# Altium PCB PCB3.PcbDoc (part 2 of 5) (continued)
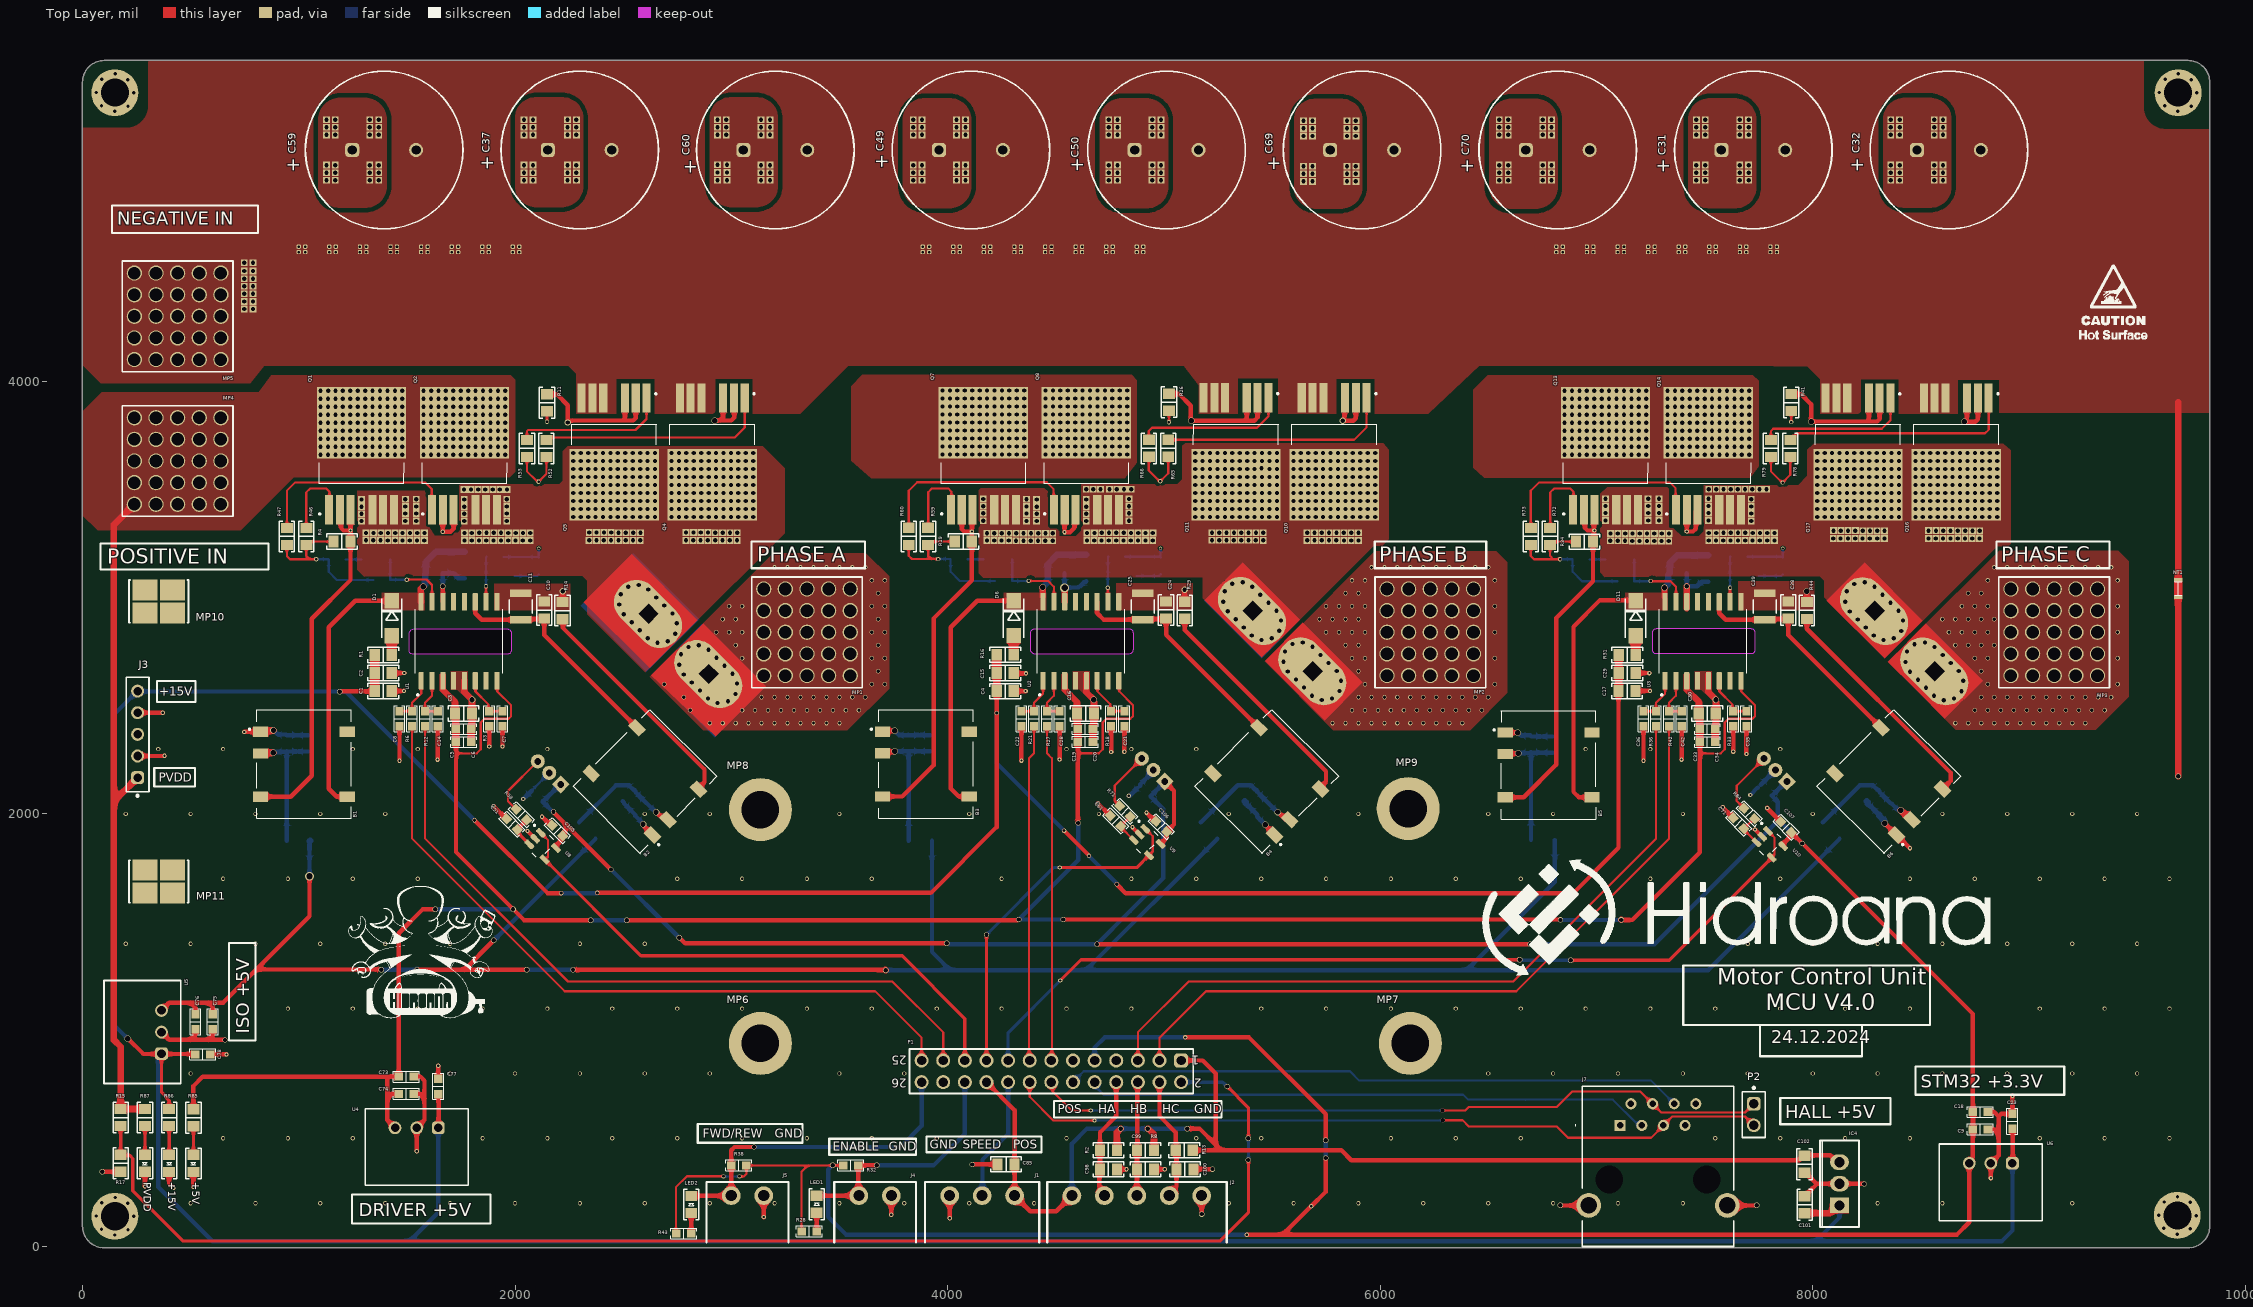
[diagram p0: Top Layer view]
## Free pads (board coordinates) (continued)
3(8399.11,3631.99) 3(8399.11,3668.99) 3(8402.28,4930) 3(8402.28,4965) 3(8402.28,5000) 3(8402.28,5140) 3(8402.28,5175) 3(8402.28,5210) 3(8475.27,3372.99) 3(8475.27,3409.99) 3(8475.27,3446.99) 3(8475.27,3483.99) 3(8475.27,3520.99) 3(8475.27,3557.99) 3(8475.27,3594.99) 3(8475.27,3631.99) 3(8475.27,3668.99) 3(8509.63,3372.99) 3(8509.63,3409.99) 3(8509.63,3446.99) 3(8509.63,3483.99) 3(8509.63,3520.99) 3(8509.63,3557.99) 3(8509.63,3594.99) 3(8509.63,3631.99) 3(8509.63,3668.99) 3(8544,3372.99) 3(8544,3409.99) 3(8544,3446.99) 3(8544,3483.99) 3(8544,3520.99) 3(8544,3557.99) 3(8544,3594.99) 3(8544,3631.99) 3(8544,3668.99) 3(8562,4930) 3(8562,4965) 3(8562,5000) 3(8562,5140) 3(8562,5175) 3(8562,5210) 3(8578.36,3372.99) 3(8578.36,3409.99) 3(8578.36,3446.99) 3(8578.36,3483.99) 3(8578.36,3520.99) 3(8578.36,3557.99) 3(8578.36,3594.99) 3(8578.36,3631.99) 3(8578.36,3668.99) 3(8603,4930) 3(8603,4965) 3(8603,5000) 3(8603,5140) 3(8603,5175) 3(8603,5210) 3(8612.73,3372.99) 3(8612.73,3409.99) 3(8612.73,3446.99) 3(8612.73,3483.99) 3(8612.73,3520.99) 3(8612.73,3557.99) 3(8612.73,3594.99) 3(8612.73,3631.99) 3(8612.73,3668.99) 3(8647.09,3372.99) 3(8647.09,3409.99) 3(8647.09,3446.99) 3(8647.09,3483.99) 3(8647.09,3520.99) 3(8647.09,3557.99) 3(8647.09,3594.99) 3(8647.09,3631.99) 3(8647.09,3668.99) 3(8681.45,3372.99) 3(8681.45,3409.99) 3(8681.45,3446.99) 3(8681.45,3483.99) 3(8681.45,3520.99) 3(8681.45,3557.99) 3(8681.45,3594.99) 3(8681.45,3631.99) 3(8681.45,3668.99) 3(8715.82,3372.99) 3(8715.82,3409.99) 3(8715.82,3446.99) 3(8715.82,3483.99) 3(8715.82,3520.99) 3(8715.82,3557.99) 3(8715.82,3594.99) 3(8715.82,3631.99) 3(8715.82,3668.99) 3(8750.18,3372.99) 3(8750.18,3409.99) 3(8750.18,3446.99) 3(8750.18,3483.99) 3(8750.18,3520.99) 3(8750.18,3557.99) 3(8750.18,3594.99) 3(8750.18,3631.99) 3(8750.18,3668.99) 3(8784.54,3372.99) 3(8784.54,3409.99) 3(8784.54,3446.99) 3(8784.54,3483.99) 3(8784.54,3520.99) 3(8784.54,3557.99) 3(8784.54,3594.99) 3(8784.54,3631.99) 3(8784.54,3668.99) 3(8818.27,3372.99) 3(8818.91,3409.99) 3(8818.91,3446.99) 3(8818.91,3483.99) 3(8818.91,3520.99) 3(8818.91,3557.99) 3(8818.91,3594.99) 3(8818.91,3631.99) 3(8818.91,3668.99) 3(8853.27,3372.99) 3(8853.27,3409.99) 3(8853.27,3446.99) 3(8853.27,3483.99) 3(8853.27,3520.99) 3(8853.27,3557.99) 3(8853.27,3594.99) 3(8853.27,3631.99) 3(8853.27,3668.99) (1101,3957)
  rect 31.5x31.5 hole 19.68 mask+4: 3(1290,3354) 3(1290,3388) 3(1290,3421) 3(1290,3454) 3(1310.66,3265) 3(1311.43,3299) 3(1344.45,3265) 3(1345.22,3299) 3(1378.24,3265) 3(1379,3299) 3(1412.03,3264) 3(1412.78,3299) 3(1445.82,3264) 3(1446.57,3299) 3(1479.61,3264) 3(1480.35,3299) 3(1493,3355) 3(1493,3389) 3(1493,3422) 3(1493,3455) 3(1513.4,3264) 3(1514.13,3299) 3(1543,3355) 3(1543,3389) 3(1543,3422) 3(1543,3455) 3(1547.18,3264) 3(1547.91,3299) 3(1580.97,3264) 3(1581.7,3299) 3(1764,3500) 3(1765,3354) 3(1765,3388) 3(1765,3421) 3(1765,3454) 3(1765.96,3264) 3(1766.65,3299) 3(1797,3500) 3(1799.75,3264) 3(1800.43,3299) 3(1830,3500) 3(1833.54,3264) 3(1834.22,3300) 3(1863,3500) 3(1867.33,3264) 3(1868,3300) 3(1897,3500) 3(1901.12,3264) 3(1901.78,3300) 3(1930,3500) 3(1934.91,3264) 3(1935.57,3300) 3(1962,3355) 3(1962,3389) 3(1962,3422) 3(1962,3455) 3(1963,3500) 3(1968.69,3264) 3(1969.35,3299) 3(2002.48,3264) 3(2003.13,3299) 3(2036.26,3264) 3(2036.91,3299) 3(2070.04,3264) 3(2070.7,3299) 3(2342.84,3265) 3(2343.52,3301) 3(2376.63,3265) 3(2377.3,3301) 3(2410.42,3265) 3(2411.09,3301) 3(2444.21,3265) 3(2444.87,3301) 3(2478,3265) 3(2478.65,3300) 3(2511.78,3265) 3(2512.43,3300) 3(2545.56,3265) 3(2546.22,3300) 3(2579.35,3265) 3(2580,3300) 3(2790.41,3265) 3(2791.09,3301) 3(2824.2,3265) 3(2824.87,3301) 3(2857.99,3265) 3(2858.65,3301) 3(2891.77,3265) 3(2892.43,3301) 3(2925.56,3265) 3(2926.22,3300) 3(2959.35,3265) 3(2960,3300) 3(2993.13,3265) 3(2993.78,3300) 3(3026.91,3265) 3(3027.57,3300) 3(3976.5,3661.5) 3(3976.5,3698.5) 3(3976.5,3735.5) 3(3976.5,3772.5) 3(3976.5,3809.5) 3(3976.5,3846.5) 3(3976.5,3883.5) 3(3976.5,3920.5) 3(3976.5,3957.5) 3(4010.86,3661.5) 3(4010.86,3698.5) 3(4010.86,3735.5) 3(4010.86,3772.5) 3(4010.86,3809.5) 3(4010.86,3846.5) 3(4010.86,3883.5) 3(4010.86,3920.5) 3(4011.5,3957.5) 3(4045.23,3661.5) 3(4045.23,3698.5) 3(4045.23,3735.5) 3(4045.23,3772.5) 3(4045.23,3809.5) 3(4045.23,3846.5) 3(4045.23,3883.5) 3(4045.23,3920.5) 3(4045.23,3957.5) 3(4079.59,3661.5) 3(4079.59,3698.5) 3(4079.59,3735.5) 3(4079.59,3772.5) 3(4079.59,3809.5) 3(4079.59,3846.5) 3(4079.59,3883.5) 3(4079.59,3920.5) 3(4079.59,3957.5) 3(4113.95,3661.5) 3(4113.95,3698.5) 3(4113.95,3735.5) 3(4113.95,3772.5) 3(4113.95,3809.5) 3(4113.95,3846.5) 3(4113.95,3883.5) 3(4113.95,3920.5) 3(4113.95,3957.5) 3(4148.32,3661.5) 3(4148.32,3698.5) 3(4148.32,3735.5) 3(4148.32,3772.5) 3(4148.32,3809.5) 3(4148.32,3846.5) 3(4148.32,3883.5) 3(4148.32,3920.5) 3(4148.32,3957.5) 3(4165,3390) 3(4165,3423) 3(4165,3456) 3(4181.87,3264) 3(4182.65,3298) 3(4182.68,3661.5) 3(4182.68,3698.5) 3(4182.68,3735.5) 3(4182.68,3772.5) 3(4182.68,3809.5) 3(4182.68,3846.5) 3(4182.68,3883.5) 3(4182.68,3920.5) 3(4182.68,3957.5) 3(4215.66,3264) 3(4216.43,3298) 3(4217.05,3661.5) 3(4217.05,3698.5) 3(4217.05,3735.5) 3(4217.05,3772.5) 3(4217.05,3809.5) 3(4217.05,3846.5) 3(4217.05,3883.5) 3(4217.05,3920.5) 3(4217.05,3957.5) 3(4249.45,3264) 3(4250.22,3298) 3(4251.41,3661.5) 3(4251.41,3698.5) 3(4251.41,3735.5) 3(4251.41,3772.5) 3(4251.41,3809.5) 3(4251.41,3846.5) 3(4251.41,3883.5) 3(4251.41,3920.5) 3(4251.41,3957.5) 3(4283.24,3264) 3(4284,3298) 3(4285.77,3661.5) 3(4285.77,3698.5) 3(4285.77,3735.5) 3(4285.77,3772.5) 3(4285.77,3809.5) 3(4285.77,3846.5) 3(4285.77,3883.5) 3(4285.77,3920.5) 3(4285.77,3957.5) 3(4317.03,3263) 3(4317.78,3298) 3(4320.14,3661.5) 3(4320.14,3698.5) 3(4320.14,3735.5) 3(4320.14,3772.5) 3(4320.14,3809.5) 3(4320.14,3846.5) 3(4320.14,3883.5) 3(4320.14,3920.5) 3(4320.14,3957.5) 3(4350.82,3263) 3(4351.57,3298) 3(4354.5,3661.5) 3(4354.5,3698.5) 3(4354.5,3735.5) 3(4354.5,3772.5) 3(4354.5,3809.5) 3(4354.5,3846.5) 3(4354.5,3883.5) 3(4354.5,3920.5) 3(4354.5,3957.5) 3(4365,3355) 3(4365,3389) 3(4365,3422) 3(4365,3455) 3(4384.61,3263) 3(4385.35,3298) 3(4412,3354) 3(4412,3388) 3(4412,3421) 3(4412,3454) 3(4418.4,3263) 3(4419.13,3298) 3(4452.18,3263) 3(4452.7,3661.5) 3(4452.7,3698.5) 3(4452.7,3735.5) 3(4452.7,3772.5) 3(4452.7,3809.5) 3(4452.7,3846.5) 3(4452.7,3883.5) 3(4452.7,3920.5) 3(4452.7,3957.5) 3(4452.91,3298) 3(4485.97,3263) 3(4486.7,3298) 3(4487.07,3661.5) 3(4487.07,3698.5) 3(4487.07,3735.5) 3(4487.07,3772.5) 3(4487.07,3809.5) 3(4487.07,3846.5) 3(4487.07,3883.5) 3(4487.07,3920.5) 3(4487.7,3957.5) 3(4521.43,3661.5) 3(4521.43,3698.5) 3(4521.43,3735.5) 3(4521.43,3772.5) 3(4521.43,3809.5) 3(4521.43,3846.5) 3(4521.43,3883.5) 3(4521.43,3920.5) 3(4521.43,3957.5) 3(4555.79,3661.5) 3(4555.79,3698.5) 3(4555.79,3735.5) 3(4555.79,3772.5) 3(4555.79,3809.5) 3(4555.79,3846.5) 3(4555.79,3883.5) 3(4555.79,3920.5) 3(4555.79,3957.5) 3(4590.16,3661.5) 3(4590.16,3698.5) 3(4590.16,3735.5) 3(4590.16,3772.5) 3(4590.16,3809.5) 3(4590.16,3846.5) 3(4590.16,3883.5) 3(4590.16,3920.5) 3(4590.16,3957.5) 3(4624.52,3661.5) 3(4624.52,3698.5) 3(4624.52,3735.5) 3(4624.52,3772.5) 3(4624.52,3809.5) 3(4624.52,3846.5) 3(4624.52,3883.5) 3(4624.52,3920.5) 3(4624.52,3957.5) 3(4641,3354) 3(4641,3388) 3(4641,3421) 3(4641,3454) 3(4641,3501) 3(4644.52,3264) 3(4645.22,3299) 3(4658.89,3661.5) 3(4658.89,3698.5) 3(4658.89,3735.5) 3(4658.89,3772.5) 3(4658.89,3809.5) 3(4658.89,3846.5) 3(4658.89,3883.5) 3(4658.89,3920.5) 3(4658.89,3957.5) 3(4674,3501) 3(4678.31,3264) 3(4679,3299) 3(4693.25,3661.5) 3(4693.25,3698.5) 3(4693.25,3735.5) 3(4693.25,3772.5) 3(4693.25,3809.5) 3(4693.25,3846.5) 3(4693.25,3883.5) 3(4693.25,3920.5) 3(4693.25,3957.5) 3(4707,3501) 3(4712.1,3264) 3(4712.78,3300) 3(4727.61,3661.5) 3(4727.61,3698.5) 3(4727.61,3735.5) 3(4727.61,3772.5) 3(4727.61,3809.5) 3(4727.61,3846.5) 3(4727.61,3883.5) 3(4727.61,3920.5) 3(4727.61,3957.5) 3(4745.89,3264) 3(4746.57,3300) 3(4748.85,3501.5) 3(4761.98,3661.5) 3(4761.98,3698.5) 3(4761.98,3735.5) 3(4761.98,3772.5) 3(4761.98,3809.5) 3(4761.98,3846.5) 3(4761.98,3883.5) 3(4761.98,3920.5) 3(4761.98,3957.5) 3(4779.68,3264) 3(4780.35,3300) 3(4782.85,3501.5) 3(4796.34,3661.5) 3(4796.34,3698.5) 3(4796.34,3735.5) 3(4796.34,3772.5) 3(4796.34,3809.5) 3(4796.34,3846.5) 3(4796.34,3883.5) 3(4796.34,3920.5) 3(4796.34,3957.5) 3(4813.47,3264) 3(4814.13,3300) 3(4815.85,3501.5) 3(4830.7,3661.5) 3(4830.7,3698.5) 3(4830.7,3735.5) 3(4830.7,3772.5) 3(4830.7,3809.5) 3(4830.7,3846.5) 3(4830.7,3883.5) 3(4830.7,3920.5) 3(4830.7,3957.5) 3(4838.65,3356) 3(4838.65,3390) 3(4838.65,3423) 3(4838.65,3456) 3(4847.26,3264) 3(4847.91,3299) 3(4848.85,3501.5) 3(4881.04,3264) 3(4881.7,3299) 3(4914.82,3264) 3(4915.48,3299) 3(4948.61,3264) 3(4949.26,3299) 3(5222.34,3265.5) 3(5222.65,3300) 3(5256.13,3265.5) 3(5256.43,3300) 3(5289.92,3265.5) 3(5290.22,3300) 3(5323.71,3265.5) 3(5324,3300) 3(5357.5,3265.5) 3(5358,3300) 3(5391.28,3265.5) 3(5392,3300) 3(5425.07,3265.5) 3(5426,3300) 3(5460,3265) 3(5460,3300) 3(5662.65,3265) 3(5662.65,3300) 3(5696.43,3300) 3(5696.44,3265) 3(5730.22,3300) 3(5730.23,3265) 3(5764,3300) 3(5764.02,3265) 3(5797.81,3265) 3(5798.65,3300) 3(5832.43,3300) 3(5832.65,3264) 3(5866.22,3300) 3(5866.43,3264) 3(5900,3300) 3(5900.22,3264) 3(7042.58,3357) 3(7042.58,3391) 3(7042.58,3424) 3(7042.58,3457) 3(7064.66,3263) 3(7065.43,3297) 3(7098.45,3263) 3(7099.22,3297) 3(7132.24,3263) 3(7133,3297) 3(7166.03,3262) 3(7166.78,3297) 3(7199.82,3262) 3(7200.57,3297) 3(7233.61,3262) 3(7234.35,3297) 3(7239.29,3357) 3(7239.29,3391) 3(7239.29,3424) 3(7239.29,3457) 3(7267.4,3262) 3(7268.13,3297) 3(7289.29,3357) 3(7289.29,3391) 3(7289.29,3424) 3(7289.29,3457) 3(7301.18,3262) 3(7301.91,3297) 3(7334.97,3262) 3(7335.7,3297) 3(7518.2,3357) 3(7518.2,3391) 3(7518.2,3424) 3(7518.2,3457) 3(7519.31,3264) 3(7520,3299) 3(7520,3501) 3(7553.1,3264) 3(7553.78,3299) 3(7554,3501) 3(7586.88,3264) 3(7587.57,3300) 3(7588,3501) 3(7620.67,3264) 3(7621,3501) 3(7621.35,3300) 3(7654,3501) 3(7654.46,3264) 3(7655.13,3300) 3(7687,3501) 3(7688.25,3264) 3(7688.91,3300) 3(7716,3355) 3(7716,3389) 3(7716,3422) 3(7716,3455) 3(7721,3501) 3(7722.04,3264) 3(7722.7,3299) 3(7754,3501) 3(7755.82,3264) 3(7756.48,3299) 3(7787,3501) 3(7789.61,3264) 3(7790.26,3299) 3(7823.39,3264) 3(7824.04,3299) 3(8095.54,3274) 3(8096.22,3310) 3(8129.33,3274) 3(8130,3310) 3(8163.12,3274) 3(8163.78,3310) 3(8196.91,3274) 3(8197.57,3310) 3(8230.69,3274) 3(8231.35,3309) 3(8264.48,3274) 3(8265.13,3309) 3(8298.26,3274) 3(8298.91,3309) 3(8332.04,3274) 3(8332.7,3309) 3(8535.54,3274) 3(8536.22,3310) 3(8569.33,3274) 3(8570,3310) 3(8603.12,3274) 3(8603.78,3310) 3(8636.91,3274) 3(8637.57,3310) 3(8670.69,3274) 3(8671.35,3309) 3(8704.48,3274) 3(8705.13,3309) 3(8738.26,3274) 3(8738.91,3309) 3(8772.04,3274) 3(8772.7,3309) (4165,3356)
  round 216.54 hole 129.92: ""(150,140) ""(150,5335) ""(9686.17,144) ""(9690,5335)

## Via types
v1: diameter 20, hole 15, Top Layer to Bottom Layer, tented both sides, 212 vias
v2: diameter 19.68, hole 11.81, Top Layer to Bottom Layer, tented both sides, 183 vias
v3: diameter 19.68, hole 10, Top Layer to Bottom Layer, tented both sides, 59 vias
v4: diameter 25, hole 20, Top Layer to Bottom Layer, tented both sides, 48 vias
v5: diameter 23.62, hole 15.75, Top Layer to Bottom Layer, tented both sides, 32 vias
v6: diameter 30, hole 25, Top Layer to Bottom Layer, tented both sides, 24 vias
v7: diameter 30, hole 20, Top Layer to Bottom Layer, tented both sides, 4 vias
v8: diameter 15, hole 10, Top Layer to Bottom Layer, tented both sides, 3 vias
v9: diameter 19.68, hole 19.68, Top Layer to Bottom Layer, tented both sides, 2 vias
v10: diameter 40, hole 28, Top Layer to Bottom Layer, tented both sides, 1 vias
v11: diameter 40, hole 30, Top Layer to Bottom Layer, tented both sides, 1 vias

## Nets (pads, with @x,y where several pads share a name; then routed paths per layer and width w, separated by ;. In a path a pad name is that pad's centre, name@x,y a point inside that pad or via, vN(x,y) a via of type N, cw(c..) or ccw(c..) an arc to the next point about the centre after c; other vN are vias at no path point)
5V: C85.2 C102.2 IC4.3 J1.3 J2.1 P1.1 P1.20 R2.1 R8.1 R13.1 | length 5665.8
  Top Layer w20: P1.20@4180,760 4310,630 C85.2@4310,380 J1.3@4310,235 4382,163 4503,163 J2.1@4575,235 ; P1.1@5080,860 5180,860 5240,800 5240,470.14 ; v4(5108.79,545) 5165.14,545 5240,470.14 ; R13.1@5134.16,445.14 5265,445.14 ; IC4.3@8118.13,385.37 8082.13,421.37 7965,421.37 C102.2@7963,419.37 7959.06,419.37 7938.69,399 5867,399 5820.86,445.14 5265,445.14 ; 5240,470.14 5265,445.14
  Top Layer w30: R2.1@4783.32,445.14 4783.32,527.32 v4(4801,545) ; v4(4926,545) 4926.29,544.71 4928.31,544.71 4954.37,518.65 R8.1@4954.37,445.14
  Bottom Layer w20: J2.1@4575,235 4575,475 4645,545 v4(4801,545) v4(4926,545) v4(5108.79,545)
+3.3V: C9.2 C18.2 C52.1 C62.1 C72.1 C105.1 C106.1 C107.1 IC1.1 IC2.1 IC3.1 P1.9 R28.1 R32.2 R38.2 R43.1 U6.3 U8.5 U9.5 U10.5 | length 19187.4
  Top Layer w10: R43.1@2745,60 2744,61 2744,274 2795,325 2963,325 v2(2964,324) ; v2(3038,324) 3057,324 3070,337 R38.2@3070,375 ; R38.2@3075,375 3355,375 ; R28.1@3325,70 3325,345 3355,375 ; v4@3467,375 3355,375 ; v4(3469,375) R32.2@3517,375
  Top Layer w20: v4(2178,2010) 2178,2008 2237,1949 ; U8.5@2189.38,1842.51 2185.19,1846.71 2185.19,1848.99 C105.1@2221.44,1885.25 ; C105.1@2220.75,1898.25 2220.6,1898.4 2220.6,1910.71 2237,1927.11 2237,1949 ; v4(2444,1743) 2443,1743 2237,1949 ; v4(2759,1427) 2761.71,1427 2786.71,1402 v4(3997,1402) ; v4(4691,1398) 4692,1397 v4@6682.67,1397 ; U9.5@4984.38,1861.51 5013.7,1890.82 5013.7,1916.3 C106.1@5013,1917 5047,1951 5047,2107.64 IC2.1@5004.51,2150.13 ; v3(5099,967) 5394,967 5749,612 v4(5749,492) ; v2(5384,54.84) 5549.84,54.84 ; v4(5748,409) 5748,252 v3(5682,186) 5681,186 5549.84,54.84 ; U10.5@7863.38,1851.51 7859.19,1855.71 7859.19,1857.99 C107.1@7902.44,1901.25 ; C107.1@7901.75,1914.25 v4(7952.5,1863.5) 8740.83,1075.17 C18.2@8740.83,621.86 C9.2@8740.83,541.86 8740.83,412.4 8723.91,395.48 U6.3@8723.91,384.91 ; U6.3@8724,371.93 8724,111.72 8667.13,54.84 5549.84,54.84
  Bottom Layer w10: v2(2964,324) v2(3038,324)
  Bottom Layer w20: C52.1@2126.75,2058.25 C52.1@2128.57,2056.43 ; C52.1@2127.39,2055.25 C52.1@2128.57,2056.43 ; v4(2178,2010) 2176.09,2011.91 2173.09,2011.91 C52.1@2128.57,2056.43 ; IC1.1@2211.6,2136.81 2208.95,2136.81 C52.1@2128.57,2056.43 ; v4(2444,1743) 2444,1742.5 2759,1427.5 v4(2759,1427) ; v4@3467,375 3448,356 3448,137 3530.16,54.84 v2(5384,54.84) ; v4(3997,1402) 3998.91,1400.09 4005.98,1400.09 4008.07,1398 v4(4691,1398) 4841.96,1548.96 4997,1704 4997,2023 C62.1@4939.75,2080.25 ; P1.9@4680,860 4680,920 4727,967 v3(5099,967) ; C62.1@4939.75,2082.81 5004.51,2147.57 IC2.1@5004.51,2150.13 ; v4(5748,409) 5749,410 v4(5749,492) ; v4(6693,1398) 7269,1398 7839,1968 7839,1977 ; IC3.1@7880.73,2149.63 7877.43,2149.63 7813.05,2085.25 C72.1@7809.75,2085.25 7839,2056 7839,1977 ; v4(7952.5,1863.5) 7839,1977
+5V: C3.2 C4.2 C5.2 C6.2 C17.2 C19.2 C20.2 C33.2 C34.2 C73.2 C74.2 R85.1 U1.3 U1.8 U2.3 U2.8 U3.3 U3.8 U4.3 | length 13372.4
  Top Layer w10: 1727,2280.25 1823.25,2280.25 1842,2299 1842,2422.76 1859.24,2440 1970,2440 1982,2452 1982,2502 1917.83,2566.17 1917.83,2614.27 U1.8@1916.23,2615.86 ; 4602.5,2280.75 4698.75,2280.75 4717.5,2299.5 4717.5,2423.26 4734.74,2440.5 4845.5,2440.5 4857.5,2452.5 4857.5,2502.5 4793.33,2566.67 4793.33,2614.77 U2.8@4791.73,2616.36 ; 7478.72,2280.25 7574.98,2280.25 7593.72,2299 7593.72,2422.76 7610.96,2440 7721.72,2440 7733.72,2452 7733.72,2502 7669.55,2566.17 7669.55,2614.27 U3.8@7667.96,2615.86
  Top Layer w20: R85.1@513,634.37 513,742 556.58,785.58 1420.98,785.58 ; U4.3@1445.35,548.64 1409.26,584.72 1409.26,683.58 ; C74.2@1462.26,705.58 1431.26,705.58 1409.26,683.58 ; v4(1631,1560) 1574,1560 1462.26,1448.26 C73.2@1462.26,785.58 1420.98,785.58 ; C6.2@1727,2333 1727,2280.25 1727,1824 v4(1990.99,1560.01) 2042,1509 v4(2350,1509) ; v4(2516,1509) 4324.65,1509 4327.65,1512 v4(4329,1512) ; v4(4535,1512) 6830.65,1512 6832.65,1510 v4(6834,1510) ; C20.2@4602.5,2333.5 4602.5,2280.75 4602.5,1959.5 v4(4604,1958) ; v4(7115,1510) 7166,1510 7478.72,1822.72 7478.72,2280.25 C34.2@7478.72,2333 ; 1409.26,683.58 1409.26,773.87 1420.98,785.58
  Top Layer w30: U1.3@1666.23,2642 U1.3@1666.23,2615.86 1666.23,2574.77 1722.4,2518.6 1722.4,2464.23 C3.2@1722.63,2464 1725.84,2460.79 1725.84,2394.16 C5.2@1727,2393 1726.6,2392.6 1726.6,2333.4 C6.2@1727,2333 ; U2.3@4541.73,2642.5 4541.73,2575.27 4597.9,2519.1 4597.9,2465.27 C4.2@4598.49,2464.69 4600.49,2462.68 4600.49,2395.51 C19.2@4602.5,2393.5 ; C19.2@4602.1,2393.1 4602.1,2333.9 C20.2@4602.5,2333.5 ; v4(7115,1510) v4@7116,1510 ; U3.3@7417.96,2642 7417.96,2574.77 7474.13,2518.6 7474.13,2464.23 7477.57,2460.79 7477.57,2394.16 C33.2@7478.72,2393 7478.32,2392.6 7478.32,2333.4 C34.2@7478.72,2333
  Bottom Layer w20: v4(1631,1560) v4(1990.99,1560.01) ; v4(2350,1509) v4(2516,1509) ; v4(4535,1512) v4(4329,1512) 4604,1787 v4(4604,1958) ; v4(6834,1510) v4@7113.65,1510
+15V: C1.2 C2.2 C15.2 C16.2 C23.2 C29.2 C30.2 C77.2 C78.2 C101.2 IC4.1 J3.1 R1.2 R16.2 R31.2 R86.1 U4.1 U5.1 U6.1 | length 23127.4
  Top Layer w15: U5.1@366,890.95 366,890 366,713.36 387,692.36 387,688.43 400.85,674.58 R86.1@400.85,635.64
  Top Layer w20: v6(210,960) 211.72,960 281.72,890 U5.1@366,890 ; U5.1@365.5,891.46 366,890.95 366.95,890 520,890 C78.2@521.46,888.54 ; v4(1190,2565) 1191.73,2566.73 1349.85,2566.73 C1.2@1351.58,2568.46 ; U4.1@1645.35,548.64 1646.8,550.09 1646.8,703.14 C77.2@1648.26,704.6 ; v1(1813,1971) 2150,1634 v1(2214,1634) ; v1(2380,1635) 3923,1635 4227,1939 v1(4227,2467) 4227.29,2467.29 4227.29,2567.89 C16.2@4227.49,2567.69 ; v1(4539,1923) 4654,1808 v1(4654,1806) ; v1(4782,1675) 4824.39,1632.61 6891.61,1632.61 7102.63,1843.63 C30.2@7102.63,2569 ; U6.1@8923.91,384.91 8925.37,386.37 8925.37,539.42 C23.2@8926.83,540.87
  Top Layer w30: C15.2@4227.08,2651.96 4227.29,2651.75 C16.2@4227.29,2567.89 ; C30.2@7102.63,2569 7102.97,2569.34 7102.97,2651.12 C29.2@7103.31,2651.46 R31.2@7103.31,2735.46 ; C101.2@7961,156 C101.2@7963,154 8080.13,154 8116.13,190 IC4.1@8124,190
  Top Layer w40: C1.2@1351.58,2568.46 C2.2@1351.58,2651.46 R1.2@1351.58,2735.46 ; C15.2@4227.08,2651.96 R16.2@4227.08,2735.96
  Bottom Layer w20: v6(210,960) 144,1026 144,2457 J3.1@255,2568 256.5,2566.5 v4@1188.5,2566.5 ; U5.1@365.5,891.46 350,875.96 350,275 600,25 1513,25 ; v4(1190,2565) 1219,2565 v1(1813,1971) ; U4.1@1645.35,548.64 1645.35,157.35 1513,25 ; v1(2214,1634) 2379,1634 v1(2380,1635) ; v1(4227,2467) 4227,2235 v1(4539,1923) ; v1(4654,1806) 4782,1678 v1(4782,1675) ; IC4.1@8124,190 8124,134 8015,25 ; U6.1@8924,355.6 8924,74 8875,25 8015,25 ; 1513,25 8015,25
A_IN_H: P1.25 R6.1 | length 3361.4
  Top Layer w10: R6.1@1524.28,2405 1524.28,1885.72 2230,1180 3665,1180 3880,965 P1.25@3880,860
A_IN_L: P1.23 R12.1 | length 3416
  Top Layer w10: R12.1@1584.28,2405 1584.28,1885.72 2245,1225 3745,1225 3980,990 P1.23@3980,860